# EAGLE board Mk4 Final Panel (EAGLE 9.0.1), part 11 of 18
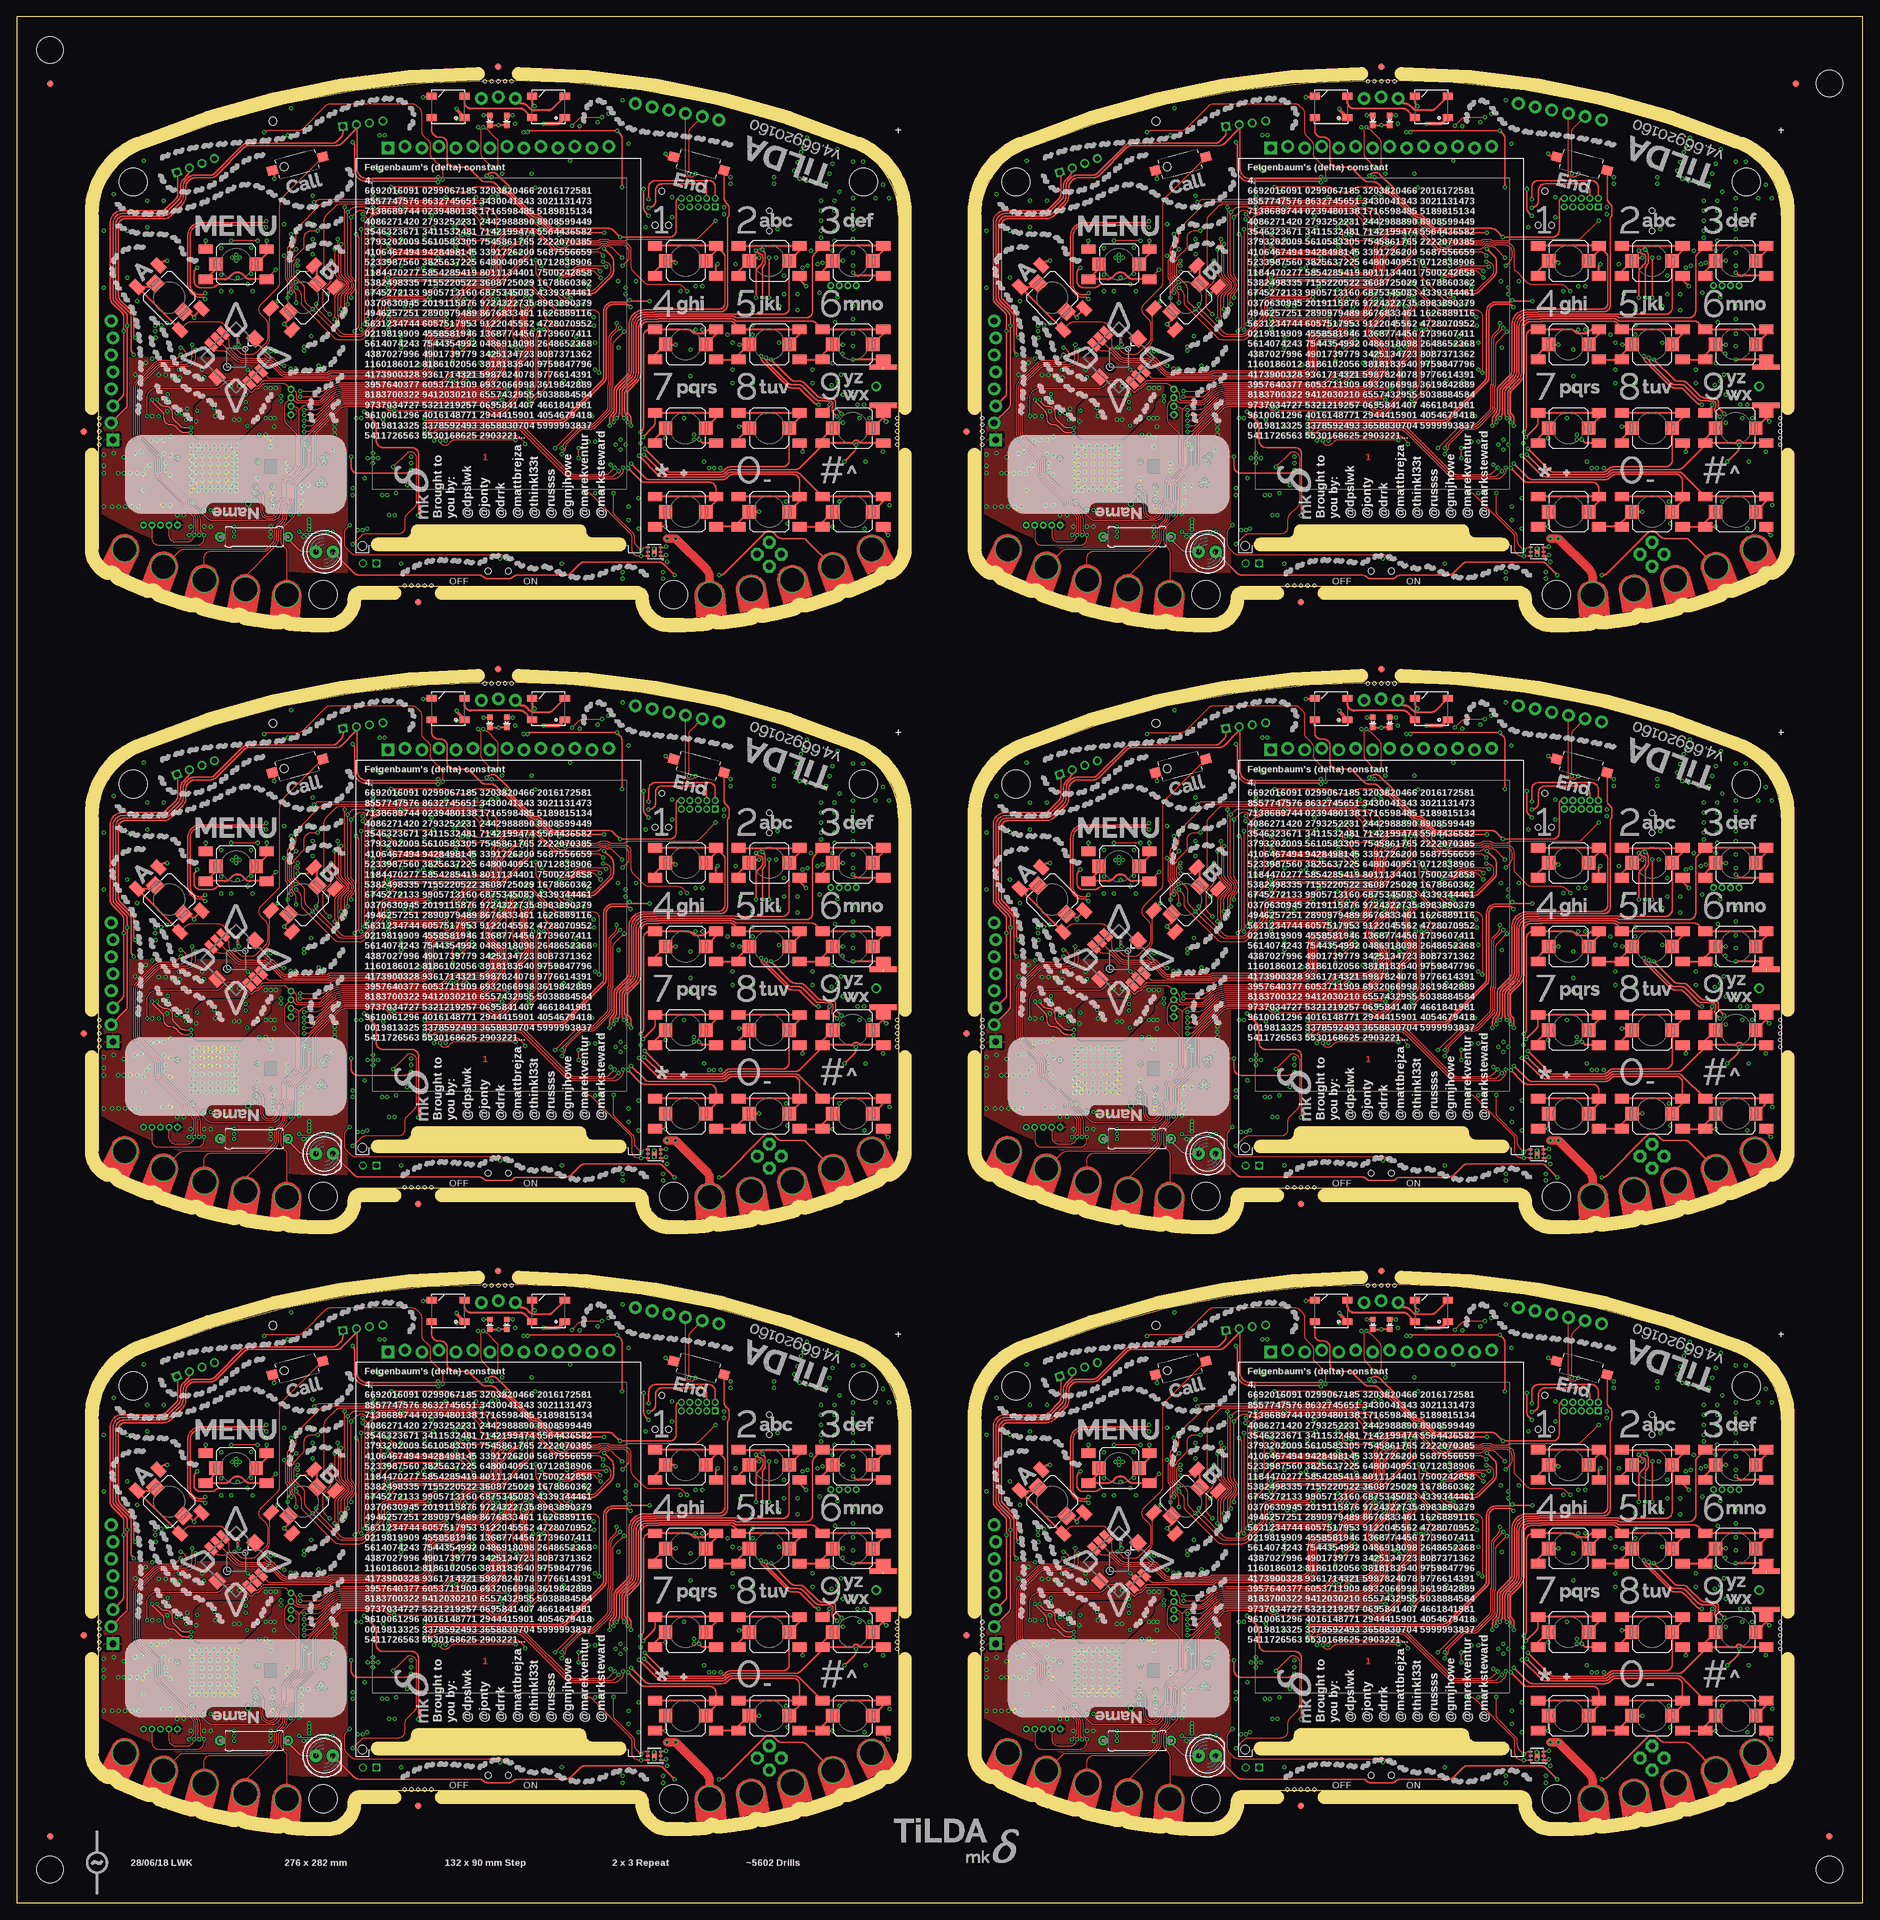
[diagram p0: board, top side]
## Tracks (layer width: path | path; a pad name or v marks a point on that pad's centre or on a via) (continued)
JOY_CEN5  (via drill 0.3) (continued)
  Top 0.15: SW6.CTR 164.78,231.03 arc45 165.66,230.66 168.79,230.66 arc-45 169.15,230.51 169.16,230.5 arc45 169.52,230.35 169.78,230.35 arc-45 170.13,230.2 171.49,228.84 arc45 172.38,228.47 178.44,228.47 arc45 178.62,228.55 178.74,228.68 arc-45 178.92,228.75 192.28,228.75 arc90 193.45,229.92 193.45,233.59 arc-90 194.56,234.7 196.85,234.7 arc90 198.1,235.95 198.1,236.35 arc-90 199.35,237.6 200.92,237.6 arc45 201.27,237.75 201.75,238.23 arc45 201.9,238.58 201.9,239.09 arc-45 202.05,239.45 v203.2,240.6
  Bottom 0.15: v203.2,240.6 202.99,240.81 arc-45 202.7,241.51 202.7,246.09 arc45 202.41,246.79 200.89,248.31 arc-45 200.6,249.01 IC92.72
JOY_DOWN  (via drill 0.3)
  Top 0.15: v72,59.8 72,59.41 arc-45 71.71,58.71 69.85,56.85 arc-45 69.49,56.7 67.5,56.7 arc90 67,56.2 67,55.8 arc-90 65,53.8 62.95,53.8 arc90 62.35,53.2 62.35,49.52 arc-90 60.67,47.85 47.29,47.85 arc45 47.12,47.78 46.99,47.65 arc-45 46.81,47.58 37.08,47.58 arc45 36.73,47.43 36.15,46.85 arc-45 35.79,46.7 35.3,46.7 SW1.D
  Bottom 0.15: v72,59.8 72.1,59.9 72.1,60.61 arc45 71.81,61.32 71.59,61.53 arc-45 71.3,62.24 71.3,66.69 arc45 71.01,67.39 69.69,68.71 arc-45 69.4,69.41 IC1.74
JOY_DOWN1  (via drill 0.3)
  Top 0.15: v204,59.8 204,59.41 arc-45 203.71,58.71 201.85,56.85 arc-45 201.49,56.7 199.5,56.7 arc90 199,56.2 199,55.8 arc-90 197,53.8 194.94,53.8 arc90 194.35,53.2 194.35,49.52 arc-90 192.68,47.85 179.29,47.85 arc45 179.12,47.78 178.99,47.65 arc-45 178.81,47.58 169.08,47.58 arc45 168.73,47.43 168.15,46.85 arc-45 167.79,46.7 167.3,46.7 SW2.D
  Bottom 0.15: v204,59.8 204.1,59.9 204.1,60.61 arc45 203.81,61.32 203.59,61.53 arc-45 203.3,62.24 203.3,66.69 arc45 203.01,67.39 201.69,68.71 arc-45 201.4,69.41 IC20.74
JOY_DOWN2  (via drill 0.3)
  Top 0.15: v72,149.8 72,149.41 arc-45 71.71,148.71 69.85,146.85 arc-45 69.49,146.7 67.5,146.7 arc90 67,146.2 67,145.8 arc-90 65,143.8 62.95,143.8 arc90 62.35,143.21 62.35,139.53 arc-90 60.67,137.85 47.29,137.85 arc45 47.12,137.78 46.99,137.65 arc-45 46.81,137.57 37.08,137.57 arc45 36.73,137.43 36.15,136.85 arc-45 35.79,136.7 35.3,136.7 SW3.D
  Bottom 0.15: v72,149.8 72.1,149.9 72.1,150.61 arc45 71.81,151.32 71.59,151.53 arc-45 71.3,152.24 71.3,156.69 arc45 71.01,157.39 69.69,158.71 arc-45 69.4,159.41 IC38.74
JOY_DOWN3  (via drill 0.3)
  Top 0.15: v204,149.8 204,149.41 arc-45 203.71,148.71 201.85,146.85 arc-45 201.49,146.7 199.5,146.7 arc90 199,146.2 199,145.8 arc-90 197,143.8 194.94,143.8 arc90 194.35,143.21 194.35,139.53 arc-90 192.68,137.85 179.29,137.85 arc45 179.12,137.78 178.99,137.65 arc-45 178.81,137.57 169.08,137.57 arc45 168.73,137.43 168.15,136.85 arc-45 167.79,136.7 167.3,136.7 SW4.D
  Bottom 0.15: v204,149.8 204.1,149.9 204.1,150.61 arc45 203.81,151.32 203.59,151.53 arc-45 203.3,152.24 203.3,156.69 arc45 203.01,157.39 201.69,158.71 arc-45 201.4,159.41 IC56.74
JOY_DOWN4  (via drill 0.3)
  Top 0.15: v72,239.8 72,239.41 arc-45 71.71,238.71 69.85,236.85 arc-45 69.49,236.7 67.5,236.7 arc90 67,236.2 67,235.8 arc-90 65,233.8 62.95,233.8 arc90 62.35,233.21 62.35,229.53 arc-90 60.67,227.85 47.29,227.85 arc45 47.12,227.78 46.99,227.65 arc-45 46.81,227.57 37.08,227.57 arc45 36.73,227.43 36.15,226.85 arc-45 35.79,226.7 35.3,226.7 SW5.D
  Bottom 0.15: v72,239.8 72.1,239.9 72.1,240.61 arc45 71.81,241.32 71.59,241.53 arc-45 71.3,242.24 71.3,246.69 arc45 71.01,247.39 69.69,248.71 arc-45 69.4,249.41 IC74.74
JOY_DOWN5  (via drill 0.3)
  Top 0.15: v204,239.8 204,239.41 arc-45 203.71,238.71 201.85,236.85 arc-45 201.49,236.7 199.5,236.7 arc90 199,236.2 199,235.8 arc-90 197,233.8 194.94,233.8 arc90 194.35,233.21 194.35,229.53 arc-90 192.68,227.85 179.29,227.85 arc45 179.12,227.78 178.99,227.65 arc-45 178.81,227.57 169.08,227.57 arc45 168.73,227.43 168.15,226.85 arc-45 167.79,226.7 167.3,226.7 SW6.D
  Bottom 0.15: v204,239.8 204.1,239.9 204.1,240.61 arc45 203.81,241.32 203.59,241.53 arc-45 203.3,242.24 203.3,246.69 arc45 203.01,247.39 201.69,248.71 arc-45 201.4,249.41 IC92.74
JOY_LEFT  (via drill 0.3)
  Top 0.15: SW1.C 29.65,52.35 arc45 30.35,52.06 30.86,52.06 arc-45 31.56,51.76 32.53,50.8 arc45 33.59,50.36 36.67,50.36 arc-45 37.02,50.21 37.04,50.2 arc45 37.39,50.05 37.65,50.05 arc-45 38.01,49.9 39.3,48.61 arc45 40.36,48.17 46.44,48.17 arc45 46.83,48.34 46.87,48.38 arc-45 47.05,48.45 60.39,48.45 arc90 61.75,49.81 61.75,53.46 arc-90 62.69,54.4 64.9,54.4 arc90 66.4,55.9 66.4,56.3 arc-90 67.4,57.3 69.04,57.3 arc45 69.39,57.45 70.05,58.1 arc45 70.2,58.46 70.2,58.59 arc-45 70.35,58.95 v71.2,59.8
  Bottom 0.15: IC1.73 69,69.21 arc45 69.29,68.51 70.71,67.09 arc-45 71,66.39 71,62.11 arc45 71.29,61.41 71.51,61.19 arc-45 71.8,60.49 arc-45 71.74,60.34 v71.2,59.8
JOY_LEFT1  (via drill 0.3)
  Top 0.15: SW2.C 161.65,52.35 arc45 162.36,52.06 162.86,52.06 arc-45 163.56,51.76 164.53,50.8 arc45 165.59,50.36 168.67,50.36 arc-45 169.02,50.21 169.04,50.2 arc45 169.39,50.05 169.65,50.05 arc-45 170,49.9 171.3,48.61 arc45 172.36,48.17 178.44,48.17 arc45 178.83,48.34 178.87,48.38 arc-45 179.05,48.45 192.39,48.45 arc90 193.75,49.81 193.75,53.46 arc-90 194.69,54.4 196.9,54.4 arc90 198.4,55.9 198.4,56.3 arc-90 199.4,57.3 201.04,57.3 arc45 201.4,57.45 202.05,58.1 arc45 202.2,58.46 202.2,58.59 arc-45 202.35,58.95 v203.2,59.8
  Bottom 0.15: IC20.73 201,69.21 arc45 201.29,68.51 202.71,67.09 arc-45 203,66.39 203,62.11 arc45 203.29,61.41 203.51,61.19 arc-45 203.8,60.49 arc-45 203.74,60.34 v203.2,59.8
JOY_LEFT2  (via drill 0.3)
  Top 0.15: SW3.C 29.65,142.35 arc45 30.35,142.06 30.86,142.06 arc-45 31.56,141.76 32.53,140.8 arc45 33.59,140.36 36.67,140.36 arc-45 37.02,140.21 37.04,140.2 arc45 37.39,140.05 37.65,140.05 arc-45 38.01,139.9 39.3,138.61 arc45 40.36,138.18 46.44,138.18 arc45 46.83,138.34 46.87,138.38 arc-45 47.05,138.45 60.39,138.45 arc90 61.75,139.81 61.75,143.46 arc-90 62.69,144.4 64.9,144.4 arc90 66.4,145.9 66.4,146.3 arc-90 67.4,147.3 69.04,147.3 arc45 69.39,147.45 70.05,148.1 arc45 70.2,148.46 70.2,148.59 arc-45 70.35,148.95 v71.2,149.8
  Bottom 0.15: IC38.73 69,159.21 arc45 69.29,158.51 70.71,157.09 arc-45 71,156.39 71,152.11 arc45 71.29,151.41 71.51,151.19 arc-45 71.8,150.49 arc-45 71.74,150.34 v71.2,149.8
JOY_LEFT3  (via drill 0.3)
  Top 0.15: SW4.C 161.65,142.35 arc45 162.36,142.06 162.86,142.06 arc-45 163.56,141.76 164.53,140.8 arc45 165.59,140.36 168.67,140.36 arc-45 169.02,140.21 169.04,140.2 arc45 169.39,140.05 169.65,140.05 arc-45 170,139.9 171.3,138.61 arc45 172.36,138.18 178.44,138.18 arc45 178.83,138.34 178.87,138.38 arc-45 179.05,138.45 192.39,138.45 arc90 193.75,139.81 193.75,143.46 arc-90 194.69,144.4 196.9,144.4 arc90 198.4,145.9 198.4,146.3 arc-90 199.4,147.3 201.04,147.3 arc45 201.4,147.45 202.05,148.1 arc45 202.2,148.46 202.2,148.59 arc-45 202.35,148.95 v203.2,149.8
  Bottom 0.15: IC56.73 201,159.21 arc45 201.29,158.51 202.71,157.09 arc-45 203,156.39 203,152.11 arc45 203.29,151.41 203.51,151.19 arc-45 203.8,150.49 arc-45 203.74,150.34 v203.2,149.8
JOY_LEFT4  (via drill 0.3)
  Top 0.15: SW5.C 29.65,232.35 arc45 30.35,232.06 30.86,232.06 arc-45 31.56,231.76 32.53,230.8 arc45 33.59,230.36 36.67,230.36 arc-45 37.02,230.21 37.04,230.2 arc45 37.39,230.05 37.65,230.05 arc-45 38.01,229.9 39.3,228.61 arc45 40.36,228.18 46.44,228.18 arc45 46.83,228.34 46.87,228.38 arc-45 47.05,228.45 60.39,228.45 arc90 61.75,229.81 61.75,233.46 arc-90 62.69,234.4 64.9,234.4 arc90 66.4,235.9 66.4,236.3 arc-90 67.4,237.3 69.04,237.3 arc45 69.39,237.45 70.05,238.1 arc45 70.2,238.46 70.2,238.59 arc-45 70.35,238.95 v71.2,239.8
  Bottom 0.15: IC74.73 69,249.21 arc45 69.29,248.51 70.71,247.09 arc-45 71,246.39 71,242.11 arc45 71.29,241.41 71.51,241.19 arc-45 71.8,240.49 arc-45 71.74,240.34 v71.2,239.8
JOY_LEFT5  (via drill 0.3)
  Top 0.15: SW6.C 161.65,232.35 arc45 162.36,232.06 162.86,232.06 arc-45 163.56,231.76 164.53,230.8 arc45 165.59,230.36 168.67,230.36 arc-45 169.02,230.21 169.04,230.2 arc45 169.39,230.05 169.65,230.05 arc-45 170,229.9 171.3,228.61 arc45 172.36,228.18 178.44,228.18 arc45 178.83,228.34 178.87,228.38 arc-45 179.05,228.45 192.39,228.45 arc90 193.75,229.81 193.75,233.46 arc-90 194.69,234.4 196.9,234.4 arc90 198.4,235.9 198.4,236.3 arc-90 199.4,237.3 201.04,237.3 arc45 201.4,237.45 202.05,238.1 arc45 202.2,238.46 202.2,238.59 arc-45 202.35,238.95 v203.2,239.8
  Bottom 0.15: IC92.73 201,249.21 arc45 201.29,248.51 202.71,247.09 arc-45 203,246.39 203,242.11 arc45 203.29,241.41 203.51,241.19 arc-45 203.8,240.49 arc-45 203.74,240.34 v203.2,239.8
JOY_RIGHT  (via drill 0.3)
  Top 0.15: v71.2,59 71.08,59 arc45 70.73,58.85 70.65,58.77 arc45 70.5,58.42 70.5,58.33 arc-45 70.35,57.98 69.52,57.15 arc-45 69.17,57 67.45,57 arc90 66.7,56.25 66.7,55.85 arc-90 64.95,54.1 62.8,54.1 arc90 62.05,53.35 62.05,49.69 arc-90 60.51,48.15 47.17,48.15 arc45 46.99,48.08 46.86,47.95 arc-45 46.69,47.88 37.94,47.88 arc-45 37.58,48.02 SW1.B | v74,66.6 arc-45 74.24,66.7 v75.3,66.7
  Bottom 0.15: v74,66.6 72.6,66.6 arc90 71.6,65.6 71.6,62.41 arc45 71.89,61.71 72.31,61.29 arc-45 72.6,60.59 72.6,60 arc-90 71.6,59 v71.2,59 | IC1.91 76.2,71.79 76.28,71.72 76.28,71.47 arc-90 75.78,70.97 75.47,70.97 arc90 74.97,70.47 74.97,67.44 arc45 75.27,66.73 v75.3,66.7
JOY_RIGHT1  (via drill 0.3)
  Top 0.15: v203.2,59 203.08,59 arc45 202.73,58.85 202.65,58.77 arc45 202.5,58.42 202.5,58.33 arc-45 202.35,57.98 201.52,57.15 arc-45 201.17,57 199.45,57 arc90 198.7,56.25 198.7,55.85 arc-90 196.95,54.1 194.8,54.1 arc90 194.05,53.35 194.05,49.69 arc-90 192.51,48.15 179.17,48.15 arc45 178.99,48.08 178.86,47.95 arc-45 178.69,47.88 169.94,47.88 arc-45 169.58,48.02 SW2.B | v206,66.6 arc-45 206.24,66.7 v207.3,66.7
  Bottom 0.15: v206,66.6 204.6,66.6 arc90 203.6,65.6 203.6,62.41 arc45 203.89,61.71 204.31,61.29 arc-45 204.6,60.59 204.6,60 arc-90 203.6,59 v203.2,59 | IC20.91 208.2,71.79 208.28,71.72 208.28,71.47 arc-90 207.78,70.97 207.47,70.97 arc90 206.97,70.47 206.97,67.44 arc45 207.27,66.73 v207.3,66.7
JOY_RIGHT2  (via drill 0.3)
  Top 0.15: v71.2,149 71.08,149 arc45 70.73,148.85 70.65,148.77 arc45 70.5,148.42 70.5,148.33 arc-45 70.35,147.98 69.52,147.15 arc-45 69.17,147 67.45,147 arc90 66.7,146.25 66.7,145.85 arc-90 64.95,144.1 62.8,144.1 arc90 62.05,143.35 62.05,139.69 arc-90 60.51,138.15 47.17,138.15 arc45 46.99,138.08 46.86,137.95 arc-45 46.69,137.88 37.94,137.88 arc-45 37.58,138.02 SW3.B | v74,156.6 arc-45 74.24,156.7 v75.3,156.7
  Bottom 0.15: v74,156.6 72.6,156.6 arc90 71.6,155.6 71.6,152.41 arc45 71.89,151.71 72.31,151.29 arc-45 72.6,150.59 72.6,150 arc-90 71.6,149 v71.2,149 | IC38.91 76.2,161.79 76.28,161.72 76.28,161.47 arc-90 75.78,160.97 75.47,160.97 arc90 74.97,160.47 74.97,157.44 arc45 75.27,156.73 v75.3,156.7
JOY_RIGHT3  (via drill 0.3)
  Top 0.15: v203.2,149 203.08,149 arc45 202.73,148.85 202.65,148.77 arc45 202.5,148.42 202.5,148.33 arc-45 202.35,147.98 201.52,147.15 arc-45 201.17,147 199.45,147 arc90 198.7,146.25 198.7,145.85 arc-90 196.95,144.1 194.8,144.1 arc90 194.05,143.35 194.05,139.69 arc-90 192.51,138.15 179.17,138.15 arc45 178.99,138.08 178.86,137.95 arc-45 178.69,137.88 169.94,137.88 arc-45 169.58,138.02 SW4.B | v206,156.6 arc-45 206.24,156.7 v207.3,156.7
  Bottom 0.15: v206,156.6 204.6,156.6 arc90 203.6,155.6 203.6,152.41 arc45 203.89,151.71 204.31,151.29 arc-45 204.6,150.59 204.6,150 arc-90 203.6,149 v203.2,149 | IC56.91 208.2,161.79 208.28,161.72 208.28,161.47 arc-90 207.78,160.97 207.47,160.97 arc90 206.97,160.47 206.97,157.44 arc45 207.27,156.73 v207.3,156.7
JOY_RIGHT4  (via drill 0.3)
  Top 0.15: v71.2,239 71.08,239 arc45 70.73,238.85 70.65,238.77 arc45 70.5,238.42 70.5,238.33 arc-45 70.35,237.98 69.52,237.15 arc-45 69.17,237 67.45,237 arc90 66.7,236.25 66.7,235.85 arc-90 64.95,234.1 62.8,234.1 arc90 62.05,233.35 62.05,229.69 arc-90 60.51,228.15 47.17,228.15 arc45 46.99,228.08 46.86,227.95 arc-45 46.69,227.88 37.94,227.88 arc-45 37.58,228.02 SW5.B | v74,246.6 arc-45 74.24,246.7 v75.3,246.7
  Bottom 0.15: v74,246.6 72.6,246.6 arc90 71.6,245.6 71.6,242.41 arc45 71.89,241.71 72.31,241.29 arc-45 72.6,240.59 72.6,240 arc-90 71.6,239 v71.2,239 | IC74.91 76.2,251.79 76.28,251.72 76.28,251.47 arc-90 75.78,250.97 75.47,250.97 arc90 74.97,250.47 74.97,247.44 arc45 75.27,246.73 v75.3,246.7
JOY_RIGHT5  (via drill 0.3)
  Top 0.15: v203.2,239 203.08,239 arc45 202.73,238.85 202.65,238.77 arc45 202.5,238.42 202.5,238.33 arc-45 202.35,237.98 201.52,237.15 arc-45 201.17,237 199.45,237 arc90 198.7,236.25 198.7,235.85 arc-90 196.95,234.1 194.8,234.1 arc90 194.05,233.35 194.05,229.69 arc-90 192.51,228.15 179.17,228.15 arc45 178.99,228.08 178.86,227.95 arc-45 178.69,227.88 169.94,227.88 arc-45 169.58,228.02 SW6.B | v206,246.6 arc-45 206.24,246.7 v207.3,246.7
  Bottom 0.15: v206,246.6 204.6,246.6 arc90 203.6,245.6 203.6,242.41 arc45 203.89,241.71 204.31,241.29 arc-45 204.6,240.59 204.6,240 arc-90 203.6,239 v203.2,239 | IC92.91 208.2,251.79 208.28,251.72 208.28,251.47 arc-90 207.78,250.97 207.47,250.97 arc90 206.97,250.47 206.97,247.44 arc45 207.27,246.73 v207.3,246.7
JOY_UP  (via drill 0.3)
  Top 0.15: SW1.A 31.4,54.2 arc-45 31.69,53.49 31.69,53 arc45 31.99,52.29 33.02,51.25 arc45 33.73,50.96 36.92,50.96 arc-45 37.27,50.81 37.29,50.8 arc45 37.64,50.65 37.9,50.65 arc-45 38.25,50.5 39.69,49.07 arc45 40.4,48.77 46.31,48.77 arc45 46.49,48.85 46.62,48.98 arc-45 46.8,49.05 60.15,49.05 arc90 61.15,50.05 61.15,53.72 arc-90 62.43,55 64.8,55 arc90 65.8,56 65.8,56.4 arc-90 67.3,57.9 68.79,57.9 arc45 69.15,58.05 69.45,58.35 arc45 69.6,58.71 69.6,59.59 arc-45 69.75,59.95 v70.4,60.6
  Bottom 0.15: IC1.71 68.2,68.81 arc45 68.49,68.11 70.11,66.49 arc-45 70.4,65.79 v70.4,60.6
JOY_UP1  (via drill 0.3)
  Top 0.15: SW2.A 163.4,54.2 arc-45 163.69,53.49 163.69,53 arc45 163.99,52.29 165.02,51.25 arc45 165.73,50.96 168.92,50.96 arc-45 169.27,50.81 169.29,50.8 arc45 169.64,50.65 169.9,50.65 arc-45 170.25,50.5 171.69,49.07 arc45 172.4,48.77 178.31,48.77 arc45 178.49,48.85 178.62,48.98 arc-45 178.8,49.05 192.15,49.05 arc90 193.15,50.05 193.15,53.72 arc-90 194.43,55 196.8,55 arc90 197.8,56 197.8,56.4 arc-90 199.3,57.9 200.79,57.9 arc45 201.15,58.05 201.45,58.35 arc45 201.6,58.71 201.6,59.59 arc-45 201.75,59.95 v202.4,60.6
  Bottom 0.15: IC20.71 200.2,68.81 arc45 200.49,68.11 202.11,66.49 arc-45 202.4,65.79 v202.4,60.6
JOY_UP2  (via drill 0.3)
  Top 0.15: SW3.A 31.4,144.2 arc-45 31.69,143.5 31.69,143 arc45 31.99,142.29 33.02,141.25 arc45 33.73,140.96 36.92,140.96 arc-45 37.27,140.81 37.29,140.8 arc45 37.64,140.65 37.9,140.65 arc-45 38.25,140.5 39.69,139.07 arc45 40.4,138.78 46.31,138.78 arc45 46.49,138.85 46.62,138.98 arc-45 46.8,139.05 60.15,139.05 arc90 61.15,140.05 61.15,143.72 arc-90 62.43,145 64.8,145 arc90 65.8,146 65.8,146.4 arc-90 67.3,147.9 68.79,147.9 arc45 69.15,148.05 69.45,148.35 arc45 69.6,148.71 69.6,149.59 arc-45 69.75,149.95 v70.4,150.6
  Bottom 0.15: IC38.71 68.2,158.81 arc45 68.49,158.11 70.11,156.49 arc-45 70.4,155.79 v70.4,150.6
JOY_UP3  (via drill 0.3)
  Top 0.15: SW4.A 163.4,144.2 arc-45 163.69,143.5 163.69,143 arc45 163.99,142.29 165.02,141.25 arc45 165.73,140.96 168.92,140.96 arc-45 169.27,140.81 169.29,140.8 arc45 169.64,140.65 169.9,140.65 arc-45 170.25,140.5 171.69,139.07 arc45 172.4,138.78 178.31,138.78 arc45 178.49,138.85 178.62,138.98 arc-45 178.8,139.05 192.15,139.05 arc90 193.15,140.05 193.15,143.72 arc-90 194.43,145 196.8,145 arc90 197.8,146 197.8,146.4 arc-90 199.3,147.9 200.79,147.9 arc45 201.15,148.05 201.45,148.35 arc45 201.6,148.71 201.6,149.59 arc-45 201.75,149.95 v202.4,150.6
  Bottom 0.15: IC56.71 200.2,158.81 arc45 200.49,158.11 202.11,156.49 arc-45 202.4,155.79 v202.4,150.6
JOY_UP4  (via drill 0.3)
  Top 0.15: SW5.A 31.4,234.2 arc-45 31.69,233.5 31.69,233 arc45 31.99,232.29 33.02,231.25 arc45 33.73,230.96 36.92,230.96 arc-45 37.27,230.81 37.29,230.8 arc45 37.64,230.65 37.9,230.65 arc-45 38.25,230.5 39.69,229.07 arc45 40.4,228.78 46.31,228.78 arc45 46.49,228.85 46.62,228.98 arc-45 46.8,229.05 60.15,229.05 arc90 61.15,230.05 61.15,233.72 arc-90 62.43,235 64.8,235 arc90 65.8,236 65.8,236.4 arc-90 67.3,237.9 68.79,237.9 arc45 69.15,238.05 69.45,238.35 arc45 69.6,238.71 69.6,239.59 arc-45 69.75,239.95 v70.4,240.6
  Bottom 0.15: IC74.71 68.2,248.81 arc45 68.49,248.11 70.11,246.49 arc-45 70.4,245.79 v70.4,240.6
JOY_UP5  (via drill 0.3)
  Top 0.15: SW6.A 163.4,234.2 arc-45 163.69,233.5 163.69,233 arc45 163.99,232.29 165.02,231.25 arc45 165.73,230.96 168.92,230.96 arc-45 169.27,230.81 169.29,230.8 arc45 169.64,230.65 169.9,230.65 arc-45 170.25,230.5 171.69,229.07 arc45 172.4,228.78 178.31,228.78 arc45 178.49,228.85 178.62,228.98 arc-45 178.8,229.05 192.15,229.05 arc90 193.15,230.05 193.15,233.72 arc-90 194.43,235 196.8,235 arc90 197.8,236 197.8,236.4 arc-90 199.3,237.9 200.79,237.9 arc45 201.15,238.05 201.45,238.35 arc45 201.6,238.71 201.6,239.59 arc-45 201.75,239.95 v202.4,240.6
  Bottom 0.15: IC92.71 200.2,248.81 arc45 200.49,248.11 202.11,246.49 arc-45 202.4,245.79 v202.4,240.6
LCD_!RST  (via drill 0.3)
  Top 0.15: v77.6,65.6 77.6,63.91 arc45 77.89,63.21 81.43,59.67 arc45 81.78,59.52 82.26,59.52 arc-45 82.61,59.38 82.95,59.05 arc45 83.3,58.9 v83.6,58.9
  Bottom 0.15: IC1.111 v77.6,65.6 | v83.6,58.9 84.01,58.49 arc-45 84.3,57.79 84.3,54.21 arc-45 84.01,53.5 83.87,53.36 arc45 83.72,53.01 83.72,52.9 arc-90 83.22,52.4 80.75,52.4 arc90 79.75,51.4 J2.10
LCD_!RST1  (via drill 0.3)
  Top 0.15: v209.6,65.6 209.6,63.91 arc45 209.89,63.21 213.43,59.67 arc45 213.78,59.52 214.26,59.52 arc-45 214.61,59.38 214.95,59.05 arc45 215.3,58.9 v215.6,58.9
  Bottom 0.15: IC20.111 v209.6,65.6 | v215.6,58.9 216.01,58.49 arc-45 216.3,57.79 216.3,54.21 arc-45 216.01,53.5 215.87,53.36 arc45 215.72,53.01 215.72,52.9 arc-90 215.22,52.4 212.75,52.4 arc90 211.75,51.4 J6.10
LCD_!RST2  (via drill 0.3)
  Top 0.15: v77.6,155.6 77.6,153.91 arc45 77.89,153.21 81.43,149.67 arc45 81.78,149.53 82.26,149.53 arc-45 82.61,149.38 82.95,149.05 arc45 83.3,148.9 v83.6,148.9
  Bottom 0.15: IC38.111 v77.6,155.6 | v83.6,148.9 84.01,148.49 arc-45 84.3,147.79 84.3,144.21 arc-45 84.01,143.5 83.87,143.36 arc45 83.72,143.01 83.72,142.9 arc-90 83.22,142.4 80.75,142.4 arc90 79.75,141.4 J21.10
LCD_!RST3  (via drill 0.3)
  Top 0.15: v209.6,155.6 209.6,153.91 arc45 209.89,153.21 213.43,149.67 arc45 213.78,149.53 214.26,149.53 arc-45 214.61,149.38 214.95,149.05 arc45 215.3,148.9 v215.6,148.9
  Bottom 0.15: IC56.111 v209.6,155.6 | v215.6,148.9 216.01,148.49 arc-45 216.3,147.79 216.3,144.21 arc-45 216.01,143.5 215.87,143.36 arc45 215.72,143.01 215.72,142.9 arc-90 215.22,142.4 212.75,142.4 arc90 211.75,141.4 J31.10
LCD_!RST4  (via drill 0.3)
  Top 0.15: v77.6,245.6 77.6,243.91 arc45 77.89,243.21 81.43,239.67 arc45 81.78,239.53 82.26,239.53 arc-45 82.61,239.38 82.95,239.05 arc45 83.3,238.9 v83.6,238.9
  Bottom 0.15: IC74.111 v77.6,245.6 | v83.6,238.9 84.01,238.49 arc-45 84.3,237.79 84.3,234.21 arc-45 84.01,233.5 83.87,233.36 arc45 83.72,233.01 83.72,232.9 arc-90 83.22,232.4 80.75,232.4 arc90 79.75,231.4 J41.10
LCD_!RST5  (via drill 0.3)
  Top 0.15: v209.6,245.6 209.6,243.91 arc45 209.89,243.21 213.43,239.67 arc45 213.78,239.53 214.26,239.53 arc-45 214.61,239.38 214.95,239.05 arc45 215.3,238.9 v215.6,238.9
  Bottom 0.15: IC92.111 v209.6,245.6 | v215.6,238.9 216.01,238.49 arc-45 216.3,237.79 216.3,234.21 arc-45 216.01,233.5 215.87,233.36 arc45 215.72,233.01 215.72,232.9 arc-90 215.22,232.4 212.75,232.4 arc90 211.75,231.4 J51.10
LCD_DCX
  Bottom 0.15: J2.36 66.75,49.89 arc-45 67.04,50.59 67.21,50.76 arc45 67.5,51.46 67.5,53.69 arc-45 67.65,54.05 68.65,55.05 arc-45 69.01,55.2 69.14,55.2 arc45 69.5,55.35 70.45,56.3 arc45 70.6,56.66 IC1.20
LCD_DCX1
  Bottom 0.15: J6.36 198.75,49.89 arc-45 199.04,50.59 199.21,50.76 arc45 199.5,51.46 199.5,53.69 arc-45 199.65,54.05 200.65,55.05 arc-45 201.01,55.2 201.14,55.2 arc45 201.5,55.35 202.45,56.3 arc45 202.6,56.66 IC20.20
LCD_DCX2
  Bottom 0.15: J21.36 66.75,139.89 arc-45 67.04,140.59 67.21,140.76 arc45 67.5,141.46 67.5,143.69 arc-45 67.65,144.05 68.65,145.05 arc-45 69.01,145.2 69.14,145.2 arc45 69.5,145.35 70.45,146.3 arc45 70.6,146.66 IC38.20
LCD_DCX3
  Bottom 0.15: J31.36 198.75,139.89 arc-45 199.04,140.59 199.21,140.76 arc45 199.5,141.46 199.5,143.69 arc-45 199.65,144.05 200.65,145.05 arc-45 201.01,145.2 201.14,145.2 arc45 201.5,145.35 202.45,146.3 arc45 202.6,146.66 IC56.20
LCD_DCX4
  Bottom 0.15: J41.36 66.75,229.89 arc-45 67.04,230.59 67.21,230.76 arc45 67.5,231.46 67.5,233.69 arc-45 67.65,234.05 68.65,235.05 arc-45 69.01,235.2 69.14,235.2 arc45 69.5,235.35 70.45,236.3 arc45 70.6,236.66 IC74.20
LCD_DCX5
  Bottom 0.15: J51.36 198.75,229.89 arc-45 199.04,230.59 199.21,230.76 arc45 199.5,231.46 199.5,233.69 arc-45 199.65,234.05 200.65,235.05 arc-45 201.01,235.2 201.14,235.2 arc45 201.5,235.35 202.45,236.3 arc45 202.6,236.66 IC92.20
LCD_TEAR  (via drill 0.3)
  Top 0.15: v65.15,50.5 65.15,52.19 arc-45 65.44,52.89 65.76,53.21 arc-45 66.46,53.5 66.59,53.5 arc45 67.29,53.79 67.31,53.81 arc45 67.6,54.51 v67.6,55
  Bottom 0.15: J2.39 65.25,50.26 arc45 v65.15,50.5 | IC1.21 70.2,56.68 arc-45 70.05,56.33 69.37,55.65 arc-45 69.02,55.5 68.88,55.5 arc45 68.53,55.35 68.32,55.15 arc-45 67.97,55 v67.6,55
LCD_TEAR1  (via drill 0.3)
  Top 0.15: v197.15,50.5 197.15,52.19 arc-45 197.44,52.89 197.76,53.21 arc-45 198.46,53.5 198.59,53.5 arc45 199.29,53.79 199.31,53.81 arc45 199.6,54.51 v199.6,55
  Bottom 0.15: J6.39 197.25,50.26 arc45 v197.15,50.5 | IC20.21 202.2,56.68 arc-45 202.05,56.33 201.37,55.65 arc-45 201.02,55.5 200.88,55.5 arc45 200.53,55.35 200.32,55.15 arc-45 199.97,55 v199.6,55
LCD_TEAR2  (via drill 0.3)
  Top 0.15: v65.15,140.5 65.15,142.19 arc-45 65.44,142.89 65.76,143.21 arc-45 66.46,143.5 66.59,143.5 arc45 67.29,143.79 67.31,143.81 arc45 67.6,144.51 v67.6,145
  Bottom 0.15: J21.39 65.25,140.26 arc45 v65.15,140.5 | IC38.21 70.2,146.68 arc-45 70.05,146.33 69.37,145.65 arc-45 69.02,145.5 68.88,145.5 arc45 68.53,145.35 68.32,145.15 arc-45 67.97,145 v67.6,145
LCD_TEAR3  (via drill 0.3)
  Top 0.15: v197.15,140.5 197.15,142.19 arc-45 197.44,142.89 197.76,143.21 arc-45 198.46,143.5 198.59,143.5 arc45 199.29,143.79 199.31,143.81 arc45 199.6,144.51 v199.6,145
  Bottom 0.15: J31.39 197.25,140.26 arc45 v197.15,140.5 | IC56.21 202.2,146.68 arc-45 202.05,146.33 201.37,145.65 arc-45 201.02,145.5 200.88,145.5 arc45 200.53,145.35 200.32,145.15 arc-45 199.97,145 v199.6,145
LCD_TEAR4  (via drill 0.3)
  Top 0.15: v65.15,230.5 65.15,232.19 arc-45 65.44,232.89 65.76,233.21 arc-45 66.46,233.5 66.59,233.5 arc45 67.29,233.79 67.31,233.81 arc45 67.6,234.51 v67.6,235
  Bottom 0.15: J41.39 65.25,230.26 arc45 v65.15,230.5 | IC74.21 70.2,236.68 arc-45 70.05,236.33 69.37,235.65 arc-45 69.02,235.5 68.88,235.5 arc45 68.53,235.35 68.32,235.15 arc-45 67.97,235 v67.6,235
LCD_TEAR5  (via drill 0.3)
  Top 0.15: v197.15,230.5 197.15,232.19 arc-45 197.44,232.89 197.76,233.21 arc-45 198.46,233.5 198.59,233.5 arc45 199.29,233.79 199.31,233.81 arc45 199.6,234.51 v199.6,235
  Bottom 0.15: J51.39 197.25,230.26 arc45 v197.15,230.5 | IC92.21 202.2,236.68 arc-45 202.05,236.33 201.37,235.65 arc-45 201.02,235.5 200.88,235.5 arc45 200.53,235.35 200.32,235.15 arc-45 199.97,235 v199.6,235
LED1  (via drill 0.3)
  Top 0.15: v72,79.5 72,83.09 arc45 71.71,83.79 70.38,85.12 70.24,85.12 69.86,85.5 v69.75,85.5
  Bottom 0.15: IC1.86 74.2,73.22 arc90 73.5,73.92 arc-90 73,74.42 73,75.29 arc45 72.71,75.99 72.29,76.41 arc-45 72,77.11 v72,79.5 | R12.2 72.79,85.52 arc-45 72.08,85.22 70.03,85.22 v69.75,85.5
LED1_R  (via drill 0.3)
  Top 0.25: LED3.A v74.17,87.25
  Bottom 0.3: R12.1 73.52,87.25 v74.17,87.25
LED1_R1  (via drill 0.3)
  Top 0.25: LED9.A v206.17,87.25
  Bottom 0.3: R83.1 205.52,87.25 v206.17,87.25
LED1_R2  (via drill 0.3)
  Top 0.25: LED15.A v74.17,177.25
  Bottom 0.3: R161.1 73.52,177.25 v74.17,177.25
LED1_R3  (via drill 0.3)
  Top 0.25: LED21.A v206.17,177.25
  Bottom 0.3: R239.1 205.52,177.25 v206.17,177.25
LED1_R4  (via drill 0.3)
  Top 0.25: LED27.A v74.17,267.25
  Bottom 0.3: R317.1 73.52,267.25 v74.17,267.25
LED1_R5  (via drill 0.3)
  Top 0.25: LED33.A v206.17,267.25
  Bottom 0.3: R395.1 205.52,267.25 v206.17,267.25
LED2  (via drill 0.3)
  Top 0.15: v71,79.55 69.75,80.8 arc-45 69.46,81.5 69.46,85.04 v69,85.5
  Bottom 0.15: IC1.85 73.8,73.33 arc90 73.5,73.62 73.2,73.62 arc-90 72.7,74.12 72.7,75.14 arc45 72.41,75.84 71.99,76.26 arc-45 71.7,76.96 71.7,78.14 arc45 71.41,78.84 71.21,79.04 arc-45 v71,79.55 | R14.2 69.99,86 69.97,86.03 69.73,86.03 arc45 69.38,85.88 v69,85.5
LED2_R  (via drill 0.3)
  Top 0.25: LED4.A v69.83,87.25
  Bottom 0.25: v69.83,87.25 69.9,87.25 70.48,87.25 R14.1
LED2_R1  (via drill 0.3)
  Top 0.25: LED10.A v201.83,87.25
  Bottom 0.25: v201.83,87.25 201.9,87.25 202.48,87.25 R84.1
LED2_R2  (via drill 0.3)
  Top 0.25: LED16.A v69.83,177.25
  Bottom 0.25: v69.83,177.25 69.9,177.25 70.48,177.25 R162.1
LED2_R3  (via drill 0.3)
  Top 0.25: LED22.A v201.83,177.25
  Bottom 0.25: v201.83,177.25 201.9,177.25 202.48,177.25 R240.1
LED2_R4  (via drill 0.3)
  Top 0.25: LED28.A v69.83,267.25
  Bottom 0.25: v69.83,267.25 69.9,267.25 70.48,267.25 R318.1